# Altium PCB Dali0.PcbDoc
Units mil, origin at the board's own origin, x right, y up, seen from the top; angles counter-clockwise.
Board outline 3112.03 x 1308.03 mil, 2 copper layers (Top Layer, Bottom Layer); 55 components, 60 nets, 220 pads, 15 vias.
Unrouted connection lines stored in the file: 61.
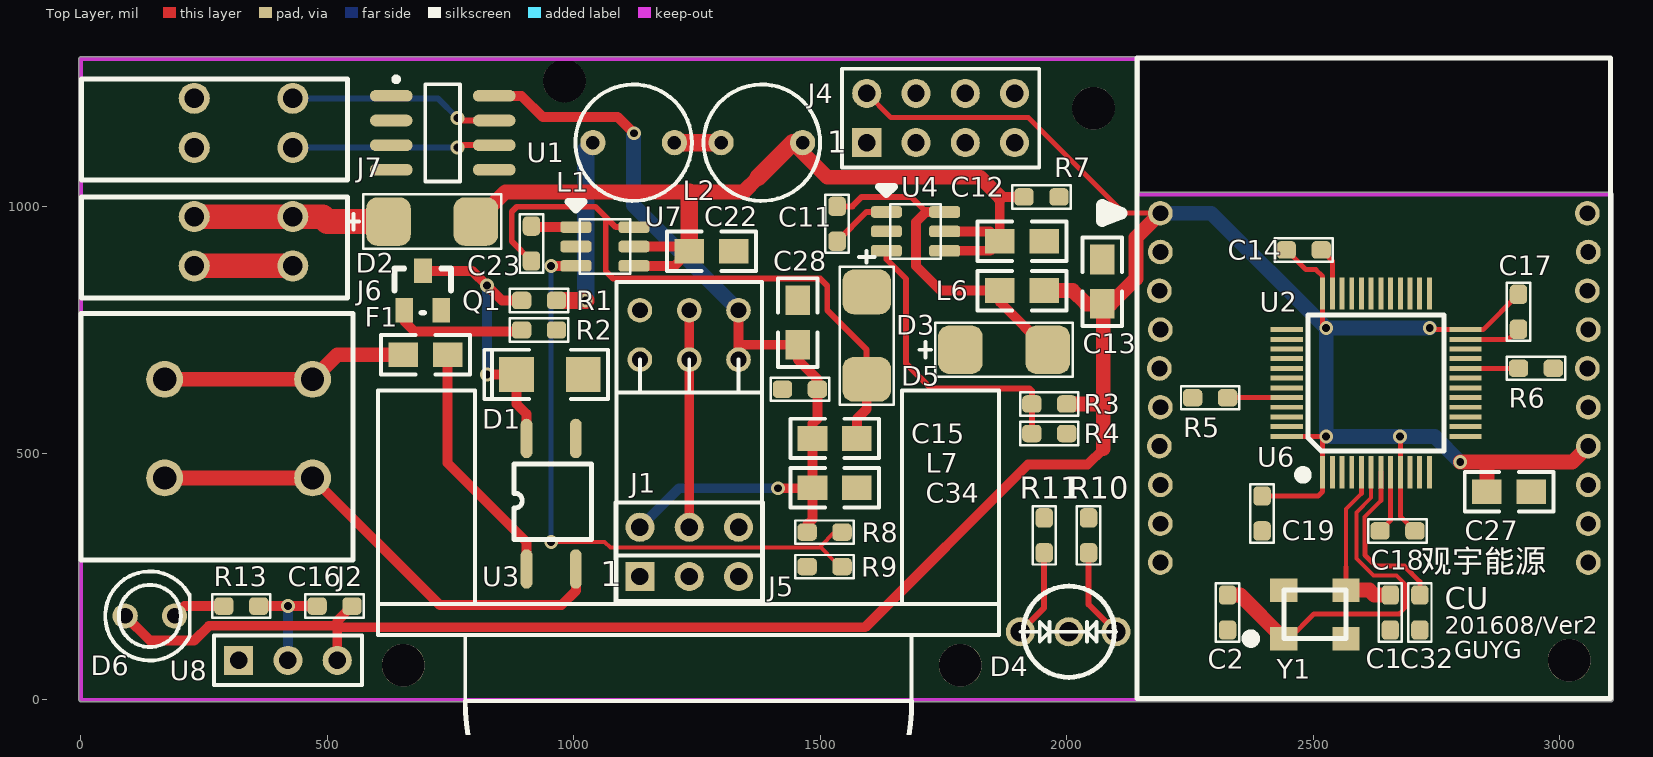
[diagram p0: Top Layer view]
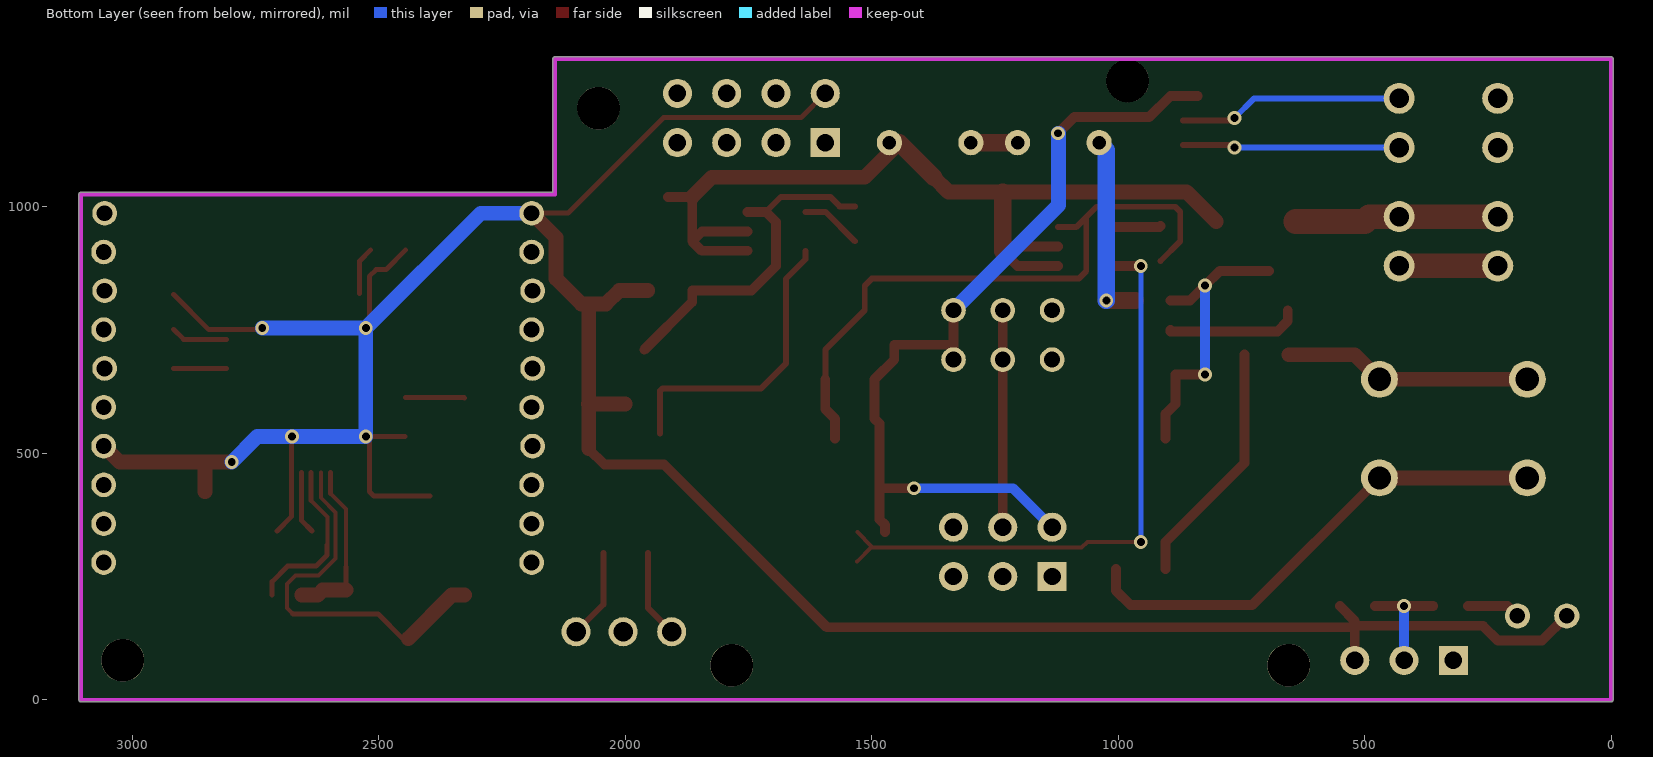
[diagram p1: Bottom Layer view, seen from below]

## Layer stack, top to bottom
Top Solder: solder mask 0.4, Solder Resist, Dk 3.5
Top Layer: signal copper 1.4
Dielectric 1: dielectric 12.6, FR-4, Dk 4.8
Bottom Layer: signal copper 1.4
Bottom Solder: solder mask 0.4, Solder Resist, Dk 3.5

## Board outline
-4.01,0 -4.01,1300 cw(c0,1300) 0,1304.01 2142.4,1304.01 cw(c2142.4,1300) 2146.42,1300 cw(c2142.4,1300) 2146.29,1299 cw(c2142.4,1298) 2146.42,1298 2146.42,1029.01 3104,1029.01 cw(c3104,1025) 3108.02,1025 3108.02,0 cw(c3104,0) 3104,-4.01 0,-4.01 cw(c0,0)

## Design rules (kind name [scope] priority, off if disabled: settings)
Clearance Clearance_2 [InPolygon] p1: gap=12
Clearance [IsPad vs IsPad] p2: gap=7
Clearance Clearance_1 [All] p3: gap=8
ComponentClearance ComponentClearance_2 [All] p1: gap=5 collisioncheckmode=3 verticalgap=5 showdistances=FALSE
ComponentClearance ComponentClearance_1 [(InComponent('U8') AND InComponent('J5'))] p2: gap=0 collisioncheckmode=3 verticalgap=0 showdistances=FALSE
Height [All] p1: minheight=0 maxheight=1574.8 prefheight=500
HoleSize [All] p1: absolutevalues=TRUE maxlimit=196.85 minlimit=15.75 maxpercent=80.000 minpercent=20.000
PolygonConnect [All] p1: connectstyle=Relief reliefconductorwidth=10 reliefentries=4 polygonreliefangle="90 Angle" airgapwidth=10
RoutingVias [All] p1: holewidth=16 width=28 viastyle="Through Hole" minholewidth=16 minwidth=28 maxholewidth=24 maxwidth=50
SilkToBoardRegionClearance [All] p1 off:
SilkToSilkClearance [All] p1: silktosilkclearance=0.39
SilkToSolderMaskClearance [IsPad] p1 off: minsilkscreentomaskgap=0.39 clearancetoexposedcopper=TRUE
SolderMaskExpansion [All] p1: expansion=4
Width [All] p1: maxlimit=200 minlimit=6 preferedwidth=8 minimp=50.000000 maximp=50.000000 favimp=50.000000
24 further rules are at their usual default settings.

## Classes and differential pairs
component class mcu: C1 C2 C15 C28 C32 D6 J1 J4 J5 R5 R6 R13 U6 U8 Y1

## Components (designator, comment, footprint, x,y, rotation, side; value= is the part's Value field where it differs from the comment)
C1 "22pF" 0603 2656,141.56 r90 top
C2 "22pF" 0603 2326,141.56 r90 top
C11 "0.1uF" 0603 1534,1000.87 r270 top
C12 "22uF/25v" 0805 1864,930 r0 top
C13 "22uF/10v" 0805 2072,803 r90 top
C14 "0.1uF" 0603 2445.13,912.43 r0 top
C15 "0.1uF" 0603 1494,630 r180 top
C16 "0.1uF" 0603 550,190 r180 top
C17 "0.1uF" 0603 2916,822.43 r270 top
C18 "0.1uF" 0603 2706,342.43 r180 top
C19 "0.1uF" 0603 2396,413.29 r270 top
C22 "22uF/25v" 0805 1234,910 r0 top
C23 "0.1uF" 0603 914,890 r90 top
C27 "22uF/10v" 0805 2852,422 r0 top
C28 "22uF/10v" 0805 1454,720 r90 top
C32 "0.1uF" 0603 2716,141.56 r90 top
C34 "22uF/10v" 0805 1484,430 r0 top
D1 "ZMM5V1" DIODE_1206 1019,660 r180 top
D2 "SS26" DO-214AC 624,970 r0 top
D3 "SS26" DO-214AC 1784,710 r0 top
D4 "Red_Green_LED" LED_RG_3mm 2004,138 r0 top
D5 "SS26" DO-214AC 1594,827.17 r270 top
D6 "HL304HP" LED_A2 140,170 r180 top
F1 "MSMD0805-050" 0805 654,700 r0 top
J1 "Header 3X2A" HDR2X3_CEN 1134,250 r0 top
J2 "KF142R" KF142R 170,650 r270 top locked
J4 "HEADER 4X2" HDR2X4 1594,1130 r0 top
J5 "Header 3X2A" HC-SR501-V 1134,690 r0 top
J6 "KF141R" KF141R 230,980 r270 top locked
J7 "KF141R" KF141R 230,1220 r270 top locked
L1 "Inductor" L0608-D5 1038.65,1130 r180 top
L2 "Inductor" L0608-D5 1298.65,1130 r180 top
L6 "47uH" 0805 1954,830 r180 top
L7 "47uH" 0805 1484,530 r0 top
Q1 "8050" SOT-23 656,790 r0 top
R1 "0" 0603r 964.87,810 r180 top
R2 "2.7K" 0603r 964.87,750 r180 top
R3 "14K,1%" 0603r 1999.87,600 r180 top
R4 "4.7K,1%" 0603r 1999.87,540 r180 top
R5 "10K" 0603r 2326,612.43 r180 top
R6 "10K" 0603r 2986.87,672.43 r180 top
R7 "2.4K" 0603r 1913.13,1020 r0 top
R8 "24K,1%" 0603R 1473.13,340 r0 top
R9 "4.7K,1%" 0603R 1473.13,270 r0 top
R10 "240" 0603r 2044,368.87 r270 top
R11 "240" 0603r 1954,368.87 r270 top
R13 "7.5K 1%" 0603R 360.87,190 r180 top
U1 "MAX485CSA" NSO8_N 734,1150 r0 top
U2 "ZigbeeModule1" ZIGBEE_XIAMENSIXIN 2189.65,987 r0 top locked
U3 "MB6S" SO-04 904,265.24 r90 top
U4 "MP2359" TSOT23-6 1634,989.37 r270 top
U6 "STM32F103C8" LQFP48S 2519.13,461.06 r90 top
U7 "MP2359" TSOT23-6 1004,958.74 r270 top
U8 "VS1838" HDR1X3 320,80 r0 top
Y1 "25M" 3225 2440.02,124 r0 top

## Footprints (in the part's own frame and the unit in brackets; to place one, negate y for a bottom-side part, rotate by r counter-clockwise, add the part's x,y. Pads: shape width x height; smd on the part's side, far side on the other; paste and mask are expansions set on the pad)
0603 [mm]
  rrect50% 1x0.9 smd: 1(0,0) 2(1.8,0)
  silkscreen extent -0.6,-0.6 2.4,0.6
0603r [mm]
  rrect50% 1x0.9 smd: 1(0,0) 2(1.8,0)
  silkscreen extent -0.6,-0.6 2.4,0.6
0603R [mm]
  rrect50% 1x0.9 smd: 1(0,0) 2(1.8,0)
  silkscreen extent -0.6,-0.6 2.4,0.6
0805 [mil]
  rect 60x50 smd: 1(0,0) 2(90,0)
  silkscreen extent -45,-40 135,40
3225 [mm] "Crystal"
  rect 1.4x1.2 smd: 1(0,0) 2(3.2,0) 3(3.2,2.5) 4(0,2.5)
  silkscreen extent -1.92,-0.22 3.2,2.5
DIODE_1206 [mm]
  rect 1.8x1.8 smd: 1(0,0) 2(3.429,0)
  silkscreen extent -1.27,-1.27 5.1,1.27
DO-214AC [mm] "DIODE"
  rrect50% 2.3x2.5 smd: 1(0,0) 2(4.5,0)
  silkscreen extent -2.11,-1.4 5.8,1.4
HC-SR501-V [mil] "PIR module"
  round 50 hole 32: 1(0,0) 2(100,0) 3(200,0) 4(0,100) 5(100,100) 6(200,100)
  silkscreen extent -531,-1146 728,157
HDR1X3 [mm] "Connector; Header; 3 Position"
  rect 1.5x1.5 hole 0.9: 1(0,0)
  round 1.5 hole 0.9: 2(2.54,0) 3(5.08,0)
  silkscreen extent -1.27,-1.27 6.35,1.27
HDR2X3_CEN [mm] "Connector; Header; 3x2 Position"
  rect 1.5x1.5 hole 0.9: 1(0,0)
  round 1.5 hole 0.9: 2(2.54,0) 3(5.08,0) 4(0,2.54) 5(2.54,2.54) 6(5.08,2.54)
  silkscreen extent -1.27,-1.27 6.35,3.81
HDR2X4 [mm] "Connector; Header; 4x2 Position"
  rect 1.5x1.5 hole 0.9: 1(0,0)
  round 1.5 hole 0.9: 2(0,2.54) 3(2.54,0) 4(2.54,2.54) 5(5.08,0) 6(5.08,2.54) 7(7.62,0) 8(7.62,2.54)
  silkscreen extent -1.27,-1.27 8.89,3.81
KF141R [mm] "免螺丝弹簧式接线端子间距2.54mm"
  round 1.6 hole 1: 1(0,0) 2(0,5.08) 3(2.54,0) 4(2.54,5.08)
  silkscreen extent -1,-5.8 4.2,7.9
KF142R [mm] "免螺丝弹簧式接线端子间距5.08mm"
  round 1.9 hole 1.2: 1(0,0) 2(0,7.62) 3(5.08,0) 4(5.08,7.62)
  silkscreen extent -3.4,-4.3 9.3,9.7
L0608-D5 [mm] "工字电感磁芯常用尺寸：  3*4.5  直径3mm 高度4.5mm;4*6     直径4mm 高度6mm;5*7     直径5mm 高度7mm;6*8     直径6mm 高度8mm;6*10   直径6mm 高度10mm;8*8     直径8mm 高度8mm;8*10   直径8mm 高度10mm;9*12   直径9mm 高度12mm;10*8   直径10mm 高度8mm;10*10 直径10mm 高度10mm;10*12 直径10mm 高度12mm;10*16 直径10mm 高度16mm;14*15 直径14mm 高度15mm;16*18 直径16mm 高度18mm;18*22 直径18mm 高度22mm"
  round 1.3 hole 0.7: 1(0,0) 2(-4.2,0)
  silkscreen extent -5.1,-3 0.9,3
LED_A2 [mm] "直径3MM二极管"
  round 1.3 hole 0.8: 1(1.27,0) 2(-1.27,0)
  silkscreen extent -2.06,-2.3 2.3,2.3
LED_RG_3mm [mm]
  round 1.5 hole 1: 1(0,0) 2(2.427,-0.002) 3(-2.5,0)
  silkscreen extent -2.49,-2.35 2.43,2.35
LQFP48S [mil]
  rect 65x10 smd: 1(0.42,0.29) 2(0.42,-19.39) 3(0.42,-39.08) 4(0.42,-58.76) 5(0.42,-78.45) 6(0.42,-98.13) 7(0.42,-117.82) 8(0.42,-137.5) 9(0.42,-157.19) 10(0.42,-176.87) 11(0.42,-196.56) 12(0.42,-216.24) 25(362.63,-216.24) 26(362.63,-196.56) 27(362.63,-176.87) 28(362.63,-157.19) 29(362.63,-137.5) 30(362.63,-117.82) 31(362.63,-98.13) 32(362.63,-78.45) 33(362.63,-58.76) 34(362.63,-39.08) 35(362.63,-19.39) 36(362.63,0.29)
  rect 10x65 smd: 13(73.26,-289.08) 14(92.94,-289.08) 15(112.63,-289.08) 16(132.31,-289.08) 17(152,-289.08) 18(171.68,-289.08) 19(191.37,-289.08) 20(211.05,-289.08) 21(230.74,-289.08) 22(250.42,-289.08) 23(270.11,-289.08) 24(289.79,-289.08) 37(289.79,73.13) 38(270.11,73.13) 39(250.42,73.13) 40(230.74,73.13) 41(211.05,73.13) 42(191.37,73.13) 43(171.68,73.13) 44(152,73.13) 45(132.31,73.13) 46(112.63,73.13) 47(92.94,73.13) 48(73.26,73.13)
  silkscreen extent -10,-246 319,46
NSO8_N [mm] "SOIC-max660"
  oval 2.2x0.6 smd: 1(-2.654,1.905) 2(-2.654,0.635) 3(-2.654,-0.635) 4(-2.654,-1.905) 5(2.654,-1.905) 6(2.654,-0.635) 7(2.654,0.635) 8(2.654,1.905)
  silkscreen extent -2.52,-2.5 0.9,2.88, body extent -1.95,-2.45 1.95,2.45, height 1.75
SO-04 [mil]
  oval 80x24 smd: 1(0,0) 2(0,-100) 3(264.76,-100) 4(264.76,0)
  silkscreen extent 60,-132 213,26
SOT-23 [mil]
  rect 36x50 smd: 1(0,0) 2(75,0) 3(38,80)
  silkscreen extent -20,-5 95,85
TSOT23-6 [mm]
  rrect50% 0.6x1.6 smd: 1(0,0) 2(1,0) 3(2,0) 4(2,3) 5(1,3) 6(0,3)
  silkscreen extent -1.3,-0.4 2.4,2.8
ZIGBEE_XIAMENSIXIN [mm] "2*8pin SIP, 1*6pin SIP"
  round 1.27 hole 0.813: 1(0,0) 2(0,-2) 3(-0.05,-4) 4(0,-6) 5(-0.05,-8) 6(0,-10) 7(-0.05,-12) 8(0,-14) 9(0,-16) 10(0,-18) 11(22.05,-18) 12(22.05,-16) 13(22.05,-14) 14(22.05,-12) 15(22.05,-10) 16(22,-8) 17(22.05,-6) 18(22,-4) 19(22.05,-2) 20(22,0)
  silkscreen extent -3,-25 23.2,8

## Part data
C1 C2 C11 C14 C15 C16 C17 C18 C19 C23 C32: library part Cap, "Capacitor"
C12 C13 C22 C27 C28 C34: library part ECAP
D1: library part "DIODE SCHOTTKY", "Schottky Diode"
D2 D3 D5: library part SchottkyDiode, "Schottky Diode"
D4: library part LED_RG
D6: library part LED0, "3MM光敏传感器"
F1: library part FUSE
J1 J5: "Header, 3-Pin, Dual row"
J2 J6 J7: library part "Header 2X2", "Header, 2-Pin, Dual row"
L6 L7: library part L, "叠层电感"
Q1: library part NPN, "NPN Transistor"
R1 R2 R3 R4 R5 R6 R7 R8 R9 R10 R11 R13: library part Res2, "Resistor"
U1: library part SP3485, "485总线芯片"
U2: library part Zigbee_XiaMenSiXin, "Zigbee module - xiamen SiXin"
U3: library part MB4S
U4 U7: "Power Convertor"
U6: library part STM32F103C6
U8: library part "Header 3", "Header, 3-Pin"
Y1: library part XTAL_4pin, "Crystal Oscillator"

## Free pads (board coordinates)
  round 86.61 hole 86.61: 2(3019,80) 3(654,70) 4(2054,1200) 5(1784,70) 7(981,1255)

## Via types
v1: diameter 28, hole 16, Top Layer to Bottom Layer, 15 vias

## Nets (pads, with @x,y where several pads share a name; then routed paths per layer and width w, separated by ;. In a path a pad name is that pad's centre, name@x,y a point inside that pad or via, vN(x,y) a via of type N, cw(c..) or ccw(c..) an arc to the next point about the centre after c; other vN are vias at no path point)
ASSOCIATE: U2.15 U6.26
BOOT0: R5.1 U6.44 | length 120.3
  Top Layer w10: R5.1 2326.63,613.06 U6.44
BOOT1: R6.2 U6.20 | length 107.9
  Top Layer w10: U6.20 2915.69,672.11 R6.2
D485_RX: U1.1 U6.21
D485_TX: U1.4 U6.22
D485_TXEN: U1.2 U1.3 U6.17
DACOUT1: J1.1 U6.14
DALI+: F1.1 J2.1 J2.2 | length 504.7
  Top Layer w30: J2.1 J2.2 520,700 F1.1
DALI-: J2.3 J2.4 U3.2 | length 997.1
  Top Layer w20: J2.4 728,192 975,192 1004,221 U3.2
  Top Layer w30: J2.3 J2.4
DALI_R: D1.1 U6.19
DALI_T: R2.1 U6.18
GND: C1.1 C2.1 C12.2 C13.2 C14.2 C15.2 C16.2 C17.2 C18.2 C19.2 C22.2 C27.2 C28.2 C32.1 C34.2 D3.1 D4.1 D5.1 J1.3 J4.8 J5.1 J5.4 J6.3 J6.4 Q1.2 R4.1 R5.2 R6.1 R7.2 R9.1 R13.1 U1.5 U2.10 U3.3 U4.2 U6.8 U6.23 U6.35 U6.47 U7.2 U8.2 | length 770.5
  Top Layer w10: C14.2 2538.52,889.91 U6.35 ; C18.2 2656.63,363.92 U6.8 ; U6.23 2895.61,731.17 C17.2
  Top Layer w20: R13.1 v1(420,190) C16.2
  Top Layer w50: J6.3 J6.4
  Bottom Layer w20: U8.2 v1(420,190)
IRDA_RX: U6.13 U8.1
JNTRST: J4.1 U6.40
JTCK: J4.7 U6.37
JTDI: J4.3 U6.38
JTDO: J4.4 U6.39
JTMS: J4.5 U6.34
LED_G: R11.1 U6.45
LED_R: R10.1 U6.46
LIGHT_AOUT: D6.2 R13.2 U6.10 | length 108.3
  Top Layer w20: D6.2 210,190 R13.2
NetC1_2: C1.2 U6.5 Y1.3 | length 346.3
  Top Layer w8: 2566,269 2566,387 2597.57,418.57
  Top Layer w10: Y1.3 2566,269 ; 2597.57,418.57 U6.5
  Top Layer w30: Y1.3 2613.57,222.43 2623.57,212.43 C1.2
NetC2_2: C2.2 U6.6 Y1.1 | length 778.1
  Top Layer w8: U6.6 2617.26,409.72 2587.45,379.9 2587.45,286.55 2622,252 2668.72,252 2685.72,235 2685.72,185.72 2675,175
  Top Layer w10: Y1.1 2451,124 2501.24,174.24 2674.24,174.24 2675,175
  Top Layer w30: C2.2 2351.59,212.43 Y1.1
NetC11_1: C11.1 D3.2 L6.2 U4.6 | length 707.6
  Top Layer w12: C11.1 1564.87,1000.87 1584,1020 1684,1020 1714.63,989.37
  Top Layer w20: U4.6 1714.63,989.37 1694,968.74 1694,880 1744,830 L6.2 1864,807.17 D3.2
NetC11_2: C11.2 U4.1 | length 124.6
  Top Layer w12: C11.2 1593.37,989.37 U4.1
NetC23_1: C23.1 D5.2 L7.2 U7.6 | length 1308.9
  Top Layer w12: C23.1 874,930 874,990 884,1000 1044,1000 1064.63,979.37 ; U7.6 1085.26,958.74 1064.63,979.37 ; D5.2 1594,710 1514,790 1514,840 1499.81,854.19 1079.81,854.19 1064.63,869.37 1064.63,979.37
  Top Layer w20: L7.2 1574,570 1594,590 D5.2
NetC23_2: C23.2 U7.1 | length 90.9
  Top Layer w20: C23.2 916.13,958.74 U7.1
NetD1_2: D1.2 Q1.3 R1.2 U3.4 | length 603.1
  Top Layer w20: Q1.3 794,870 v1(824,840) 854,810 R1.2 ; v1(824,660) D1.2 884,600 904,580 U3.4
  Bottom Layer w20: v1(824,660) v1(824,840)
NetD4_2: D4.2 R10.2 | length 183.1
  Top Layer w12: R10.2 2044,193.47 D4.2
NetD4_3: D4.3 R11.2 | length 180.1
  Top Layer w12: D4.3 1954,186.43 R11.2
NetF1_2: F1.2 U3.1 | length 501
  Top Layer w20: F1.2 744,480 904,320 U3.1
NetL1_1: L1.1 R1.1 | length 385.2
  Top Layer w35: R1.1 v1(1024,810)
  Bottom Layer w35: v1(1024,810) 1024,1115.35 L1.1
NetL1_2: L1.2 L2.1 | length 74.6
  Top Layer w35: L1.2 L2.1@1278.65,1130
NetQ1_1: Q1.1 R2.2 | length 271.7
  Top Layer w20: Q1.1 656,768 677,747 894,747 R2.2
NetR3_2: R3.2 R4.2 U4.3 | length 610
  Top Layer w12: U4.3 1634,893.46 1674,853.46 1674,681.72 1724,631.72 1924,631.72 1929,626.72 R3.2 R4.2
NetR8_2: R8.2 R9.2 U7.3 | length 1245.7
  Top Layer w8: v1(954,320) 1062.47,320 1074,308.47 1498.91,308.47 1500.15,309.72 ; R8.2@1529,340 1500.15,311.15 1500.15,309.72 ; R9.2@1529.87,280 1500.15,309.72
  Top Layer w20: v1(954,880) U7.3
  Bottom Layer w10: v1(954,320) v1(954,880)
NRST: C32.2 J4.6 U6.7 | length 344.3
  Top Layer w8: 2604.45,312.55 2603.45,313.55 2603.45,370.45 2636.94,403.94
  Top Layer w10: 2604.45,313.55 2604.45,312.55 2604.45,293.59 2627.04,271 2684.71,271 2716,239.71 C32.2 ; 2636.94,403.94 U6.7
OEN: J1.2 U6.43
ONTIME: J1.6
PIR_OUT: J1.5 J5.2 J5.5 U6.28 | length 440
  Top Layer w20: J1.5 J5.2 J5.5
RELAY_EN: U6.29
RS485+: J7.1 J7.2 U1.7 | length 457.1
  Top Layer w12: v1(764,1180) 769,1175 U1.7 U1.7@868.49,1175
  Bottom Layer w12: J7.2 724,1220 v1(764,1180)
RS485-: J7.3 J7.4 U1.6 | length 440.6
  Top Layer w12: v1(764,1120) 769,1125 U1.6 U1.6@868.49,1125
  Bottom Layer w12: J7.4 v1(764,1120)
SLEEP_ON: U2.13 U6.25
SLEEP_RQ: U2.9 U6.27
SWCLK: U2.18
SWD: U2.17
USBDM: U6.32
USBDP: U6.33
V3.3: C13.1 C14.1 C16.1 C17.1 C18.1 C19.1 C27.1 D6.1 J4.2 L6.1 R3.1 U2.1 U2.14 U6.1 U6.9 U6.24 U6.36 U6.48 U8.3 | length 6147.6
  Top Layer w10: J4.2 1643,1181 1922,1181 2116,987 U2.1 ; C19.1 2509.7,413.29 2518.83,422.43 U6.1 v1@2518.83,527.46 ; C14.1 2485.13,872.43 2505.13,872.43 2518.83,858.72 U6.36 2518.83,761.17 v1(2526,754) ; U6.48 v1@2525.69,534.31 ; v1(2676,534) 2676.31,533.69 U6.9 2676.31,372.11 C18.1 ; v1(2736,754) 2739.15,750.85 U6.24 2844.43,750.85 C17.1
  Top Layer w20: D6.1 140,120 230,120 260,150 520,150 ; U8.3 520,150 ; C16.1 520,160 520,150 ; 2074,509 2042,477 1921,477 1591,147 523,147 520,150
  Top Layer w30: L6.1 2012,830 2039,803 C13.1 C13.1@2074,803 ; R3.1 2074,600 ; 2074,509 2074,600 ; 2075,600 2074,600 ; U2.1 2140,937.35 2140,854 2089,803 C13.1@2074,803 ; v1(2798,482) 2852,482 ; C27.1 2852,482 ; U2.14 3025.2,482 2852,482 ; 2074,600 C13.1@2074,803
  Bottom Layer w30: U2.1 2293,987 v1(2526,754) ; v1(2736,754) v1(2526,754) ; v1(2798,482) 2746,534 v1(2676,534) v1(2526,534) v1(2526,754)
V5: C15.1 C28.1 C34.1 J1.4 J5.3 J5.6 L7.1 R8.1 U1.8 | length 1771.4
  Top Layer w20: U1.8 894,1225 937,1182 1089,1182 v1(1122,1149) ; J5.3 1334,720 ; J5.6 1334,720 ; v1(1414,429) 1481,429 1482,428 C34.1 ; R8.1 1473.13,355 1484,365.87 C34.1 ; 1334,720 C28.1 1454,690 1494,650 C15.1 1494,570 1484,560 L7.1 C34.1
  Bottom Layer w20: J1.4 1213,429 v1(1414,429)
  Bottom Layer w30: v1@1121,1149 1121,1003 J5.6
V_SR: D2.1 J6.1 J6.2 | length 414.1
  Top Layer w50: J6.1 J6.2 490,980 500,970 D2.1 D2.1@640,970
VCC: C12.1 C22.1 D2.2 L2.2 R7.1 U4.4 U4.5 U7.4 U7.5 | length 1914
  Top Layer w20: U7.4 1204,880 C22.1 1224.63,919.37 U7.5 ; U4.4 1844.63,910.63 C12.1 ; U4.5 1844,950 C12.1 ; R7.1 1864,1020 C12.1
  Top Layer w30: D2.2 861.17,1030 1234,1030 1344,1030 1374,1060 ; L2.2@1444,1130 1514,1060 1824,1060 1864,1020
  Top Layer w35: C22.1 1234,1030 ; 1374,1060 L2.2@1444,1130
ZIG_CSN: U2.11
ZIG_MISO: U2.7
ZIG_MOSI: U2.6
ZIG_SCK: U2.19
ZIGBEE_RST: U2.5 U6.11
ZIGBEE_RX: U2.3 U6.30
ZIGBEE_TX: U2.2 U6.31
pads on no net: U2.4 U2.8 U2.12 U2.16 U2.20 U6.2 U6.3 U6.4 U6.12 U6.15 U6.16 U6.41 U6.42 Y1.2 Y1.4

## Keep-outs
Keep-Out Layer:
  lines w8: 2142.4,1298 2142.4,1025 3104,1025 3104,0 0,0 0,1300 776,1300 2142.4,1300

## Silkscreen, mask and mechanical layers (free items; w line width, h text height)
Top Overlay:
  text "观宇能源" at 2718,243 h80
  text "CU" at 2766,184 h45
  text "201608/Ver2" at 2766,134 h35
  text "GUYG" at 2786,84 h35

## Text inside footprints (layer, text, board x,y; h text height)
J1: Top Overlay "1" at 1054,230 h50
J4: Top Overlay "1" at 1514,1110 h45